# KiCad board Greenwood18N2.kicad_pcb (continued)
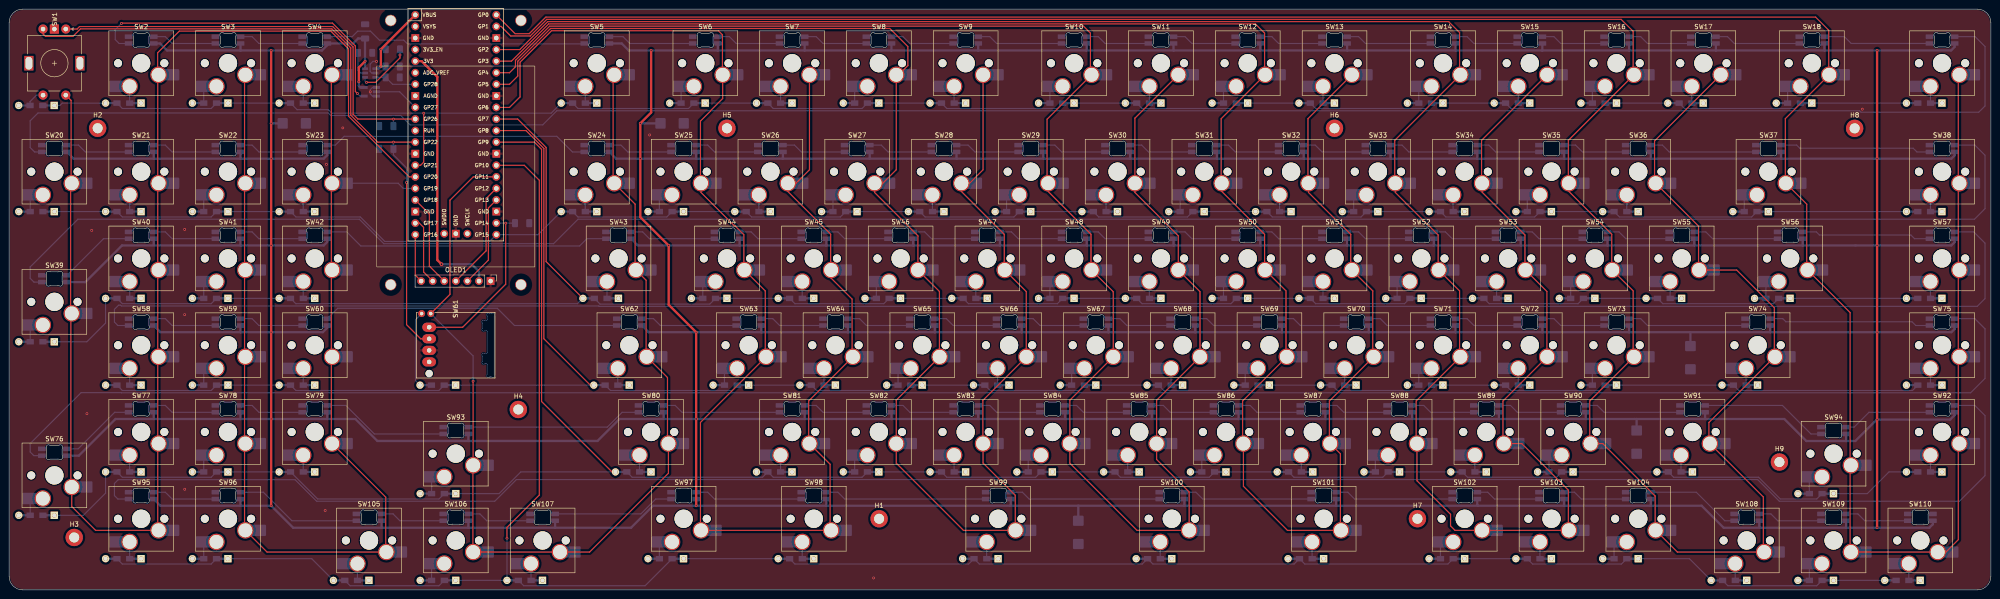
[diagram p0: board, top side]
## Nets
+3V3: OLED1.2 U2.36
GND: C1.1 C2.2 C3.2 C4.2 C5.1 C8.2 C9.2 C10.2 C11.2 C12.2 OLED1.1 R2.1 R3.2 SW1.C SW2.6 SW3.6 SW4.6 SW5.6 SW6.6 SW7.6 SW8.6 SW9.6 SW10.6 SW11.6 SW12.6 SW13.6 SW14.6 SW15.6 SW16.6 SW17.6 SW18.6 SW19.6 SW20.6 SW21.6 SW22.6 SW23.6 SW24.6 SW25.6 SW26.6 SW27.6 SW28.6 SW29.6 SW30.6 SW31.6 SW32.6 SW33.6 SW34.6 SW35.6 SW36.6 SW37.6 SW38.6 SW39.6 SW40.6 SW41.6 SW42.6 SW43.6 SW44.6 SW45.6 SW46.6 SW47.6 SW48.6 SW49.6 SW50.6 SW51.6 SW52.6 SW53.6 SW54.6 SW55.6 SW56.6 SW57.6 SW58.6 SW59.6 SW60.6 SW61.C SW62.6 SW63.6 SW64.6 SW65.6 SW66.6 SW67.6 SW68.6 SW69.6 SW70.6 SW71.6 SW72.6 SW73.6 SW74.6 SW75.6 SW76.6 SW77.6 SW78.6 SW79.6 SW80.6 SW81.6 SW82.6 SW83.6 SW84.6 SW85.6 SW86.6 SW87.6 SW88.6 SW89.6 SW90.6 SW91.6 SW92.6 SW93.6 SW94.6 SW95.6 SW96.6 SW97.6 SW98.6 SW99.6 SW100.6 SW101.6 SW102.6 SW103.6 SW104.6 SW105.6 SW106.6 SW107.6 SW108.6 SW109.6 SW110.6 U1.2 U2.3 U2.8 U2.13 U2.18 U2.23 U2.28 U2.38 U2.42 U3.1 U3.3
VCC: C1.2 R1.2 U1.1 U2.40
C_ILIM: R3.1 U1.5
COL0: SW1.S2 SW2.1 SW20.1 SW21.1 SW39.1 SW40.1 SW58.1 SW76.1 SW77.1 SW95.1 U2.26
COL1: SW3.1 SW4.1 SW22.1 SW23.1 SW41.1 SW42.1 SW59.1 SW60.1 SW78.1 SW79.1 SW96.1 SW105.1 U2.25
COL2: SW5.1 SW24.1 SW43.1 SW61.S2 SW62.1 SW80.1 SW93.1 SW106.1 SW107.1 U2.15
COL3: SW6.1 SW7.1 SW25.1 SW26.1 SW44.1 SW45.1 SW63.1 SW64.1 SW81.1 SW97.1 SW98.1 U2.9
COL4: SW8.1 SW9.1 SW27.1 SW28.1 SW46.1 SW47.1 SW65.1 SW66.1 SW82.1 SW83.1 SW99.1 U2.7
COL5: SW10.1 SW11.1 SW29.1 SW30.1 SW48.1 SW49.1 SW67.1 SW68.1 SW84.1 SW85.1 SW100.1 U2.6
COL6: SW12.1 SW13.1 SW31.1 SW32.1 SW50.1 SW51.1 SW69.1 SW70.1 SW86.1 SW87.1 SW101.1 U2.5
COL7: SW14.1 SW15.1 SW33.1 SW34.1 SW52.1 SW53.1 SW71.1 SW72.1 SW88.1 SW89.1 SW102.1 SW103.1 U2.4
COL8: SW16.1 SW17.1 SW35.1 SW36.1 SW54.1 SW55.1 SW73.1 SW74.1 SW90.1 SW91.1 SW104.1 SW108.1 U2.2
COL9: SW18.1 SW19.1 SW37.1 SW38.1 SW56.1 SW57.1 SW75.1 SW92.1 SW94.1 SW109.1 SW110.1 U2.1
ENC1_A: C2.1 SW1.A U2.31
ENC2_A: C3.1 SW61.A U2.19
ENC_B: C4.1 SW1.B SW61.B U2.29
LED_DAT_3V3: U2.32 U3.2
LED_DAT_5V: SW2.5 U3.4
LED_EN: R2.2 U1.3 U2.34
LED_NFAULT: R1.1 U1.4
LED_PWR: C5.2 C8.1 C9.1 C10.1 C11.1 C12.1 SW2.3 SW3.3 SW4.3 SW5.3 SW6.3 SW7.3 SW8.3 SW9.3 SW10.3 SW11.3 SW12.3 SW13.3 SW14.3 SW15.3 SW16.3 SW17.3 SW18.3 SW19.3 SW20.3 SW21.3 SW22.3 SW23.3 SW24.3 SW25.3 SW26.3 SW27.3 SW28.3 SW29.3 SW30.3 SW31.3 SW32.3 SW33.3 SW34.3 SW35.3 SW36.3 SW37.3 SW38.3 SW39.3 SW40.3 SW41.3 SW42.3 SW43.3 SW44.3 SW45.3 SW46.3 SW47.3 SW48.3 SW49.3 SW50.3 SW51.3 SW52.3 SW53.3 SW54.3 SW55.3 SW56.3 SW57.3 SW58.3 SW59.3 SW60.3 SW62.3 SW63.3 SW64.3 SW65.3 SW66.3 SW67.3 SW68.3 SW69.3 SW70.3 SW71.3 SW72.3 SW73.3 SW74.3 SW75.3 SW76.3 SW77.3 SW78.3 SW79.3 SW80.3 SW81.3 SW82.3 SW83.3 SW84.3 SW85.3 SW86.3 SW87.3 SW88.3 SW89.3 SW90.3 SW91.3 SW92.3 SW93.3 SW94.3 SW95.3 SW96.3 SW97.3 SW98.3 SW99.3 SW100.3 SW101.3 SW102.3 SW103.3 SW104.3 SW105.3 SW106.3 SW107.3 SW108.3 SW109.3 SW110.3 U1.6 U3.5
OLED_CS: OLED1.7 U2.21
OLED_DC: OLED1.6 U2.22
OLED_MOSI: OLED1.4 U2.16
OLED_RESET: OLED1.5 U2.24
OLED_SCK: OLED1.3 U2.17
ROW0: D1.1 D2.2 D3.1 D4.2 D5.2 D6.1 D7.2 D8.1 D9.2 D10.1 D11.2 D12.1 D13.2 D14.1 D15.2 D16.1 D17.2 D18.1 D19.2 U2.27
ROW1: D20.1 D21.2 D22.1 D23.2 D24.2 D25.1 D26.2 D27.1 D28.2 D29.1 D30.2 D31.1 D32.2 D33.1 D34.2 D35.1 D36.2 D37.1 D38.2 U2.20
ROW2: D39.1 D40.2 D41.1 D42.2 D43.2 D44.1 D45.2 D46.1 D47.2 D48.1 D49.2 D50.1 D51.2 D52.1 D53.2 D54.1 D55.2 D56.1 D57.2 U2.10
ROW3: D58.2 D59.1 D60.2 D61.1 D62.2 D63.1 D64.2 D65.1 D66.2 D67.1 D68.2 D69.1 D70.2 D71.1 D72.2 D73.1 D74.2 D75.2 U2.11
ROW4: D76.1 D77.2 D78.1 D79.2 D80.2 D81.2 D82.1 D83.2 D84.1 D85.2 D86.1 D87.2 D88.1 D89.2 D90.1 D91.2 D92.2 D93.1 D94.1 U2.12
ROW5: D95.2 D96.1 D97.1 D98.2 D99.2 D100.2 D101.2 D102.1 D103.2 D104.1 D105.2 D106.1 D107.2 D108.2 D109.1 D110.2 U2.14
Net-(D1-A): D1.2 SW1.S1
Net-(D2-K): D2.1 SW2.2
Net-(D3-A): D3.2 SW3.2
Net-(D4-K): D4.1 SW4.2
Net-(D5-K): D5.1 SW5.2
Net-(D6-A): D6.2 SW6.2
Net-(D7-K): D7.1 SW7.2
Net-(D8-A): D8.2 SW8.2
Net-(D9-K): D9.1 SW9.2
Net-(D10-A): D10.2 SW10.2
Net-(D11-K): D11.1 SW11.2
Net-(D12-A): D12.2 SW12.2
Net-(D13-K): D13.1 SW13.2
Net-(D14-A): D14.2 SW14.2
Net-(D15-K): D15.1 SW15.2
Net-(D16-A): D16.2 SW16.2
Net-(D17-K): D17.1 SW17.2
Net-(D18-A): D18.2 SW18.2
Net-(D19-K): D19.1 SW19.2
Net-(D20-A): D20.2 SW20.2
Net-(D21-K): D21.1 SW21.2
Net-(D22-A): D22.2 SW22.2
Net-(D23-K): D23.1 SW23.2
Net-(D24-K): D24.1 SW24.2
Net-(D25-A): D25.2 SW25.2
Net-(D26-K): D26.1 SW26.2
Net-(D27-A): D27.2 SW27.2
Net-(D28-K): D28.1 SW28.2
Net-(D29-A): D29.2 SW29.2
Net-(D30-K): D30.1 SW30.2
Net-(D31-A): D31.2 SW31.2
Net-(D32-K): D32.1 SW32.2
Net-(D33-A): D33.2 SW33.2
Net-(D34-K): D34.1 SW34.2
Net-(D35-A): D35.2 SW35.2
Net-(D36-K): D36.1 SW36.2
Net-(D37-A): D37.2 SW37.2
Net-(D38-K): D38.1 SW38.2
Net-(D39-A): D39.2 SW39.2
Net-(D40-K): D40.1 SW40.2
Net-(D41-A): D41.2 SW41.2
Net-(D42-K): D42.1 SW42.2
Net-(D43-K): D43.1 SW43.2
Net-(D44-A): D44.2 SW44.2
Net-(D45-K): D45.1 SW45.2
Net-(D46-A): D46.2 SW46.2
Net-(D47-K): D47.1 SW47.2
Net-(D48-A): D48.2 SW48.2
Net-(D49-K): D49.1 SW49.2
Net-(D50-A): D50.2 SW50.2
Net-(D51-K): D51.1 SW51.2
Net-(D52-A): D52.2 SW52.2
Net-(D53-K): D53.1 SW53.2
Net-(D54-A): D54.2 SW54.2
Net-(D55-K): D55.1 SW55.2
Net-(D56-A): D56.2 SW56.2
Net-(D57-K): D57.1 SW57.2
Net-(D58-K): D58.1 SW58.2
Net-(D59-A): D59.2 SW59.2
Net-(D60-K): D60.1 SW60.2
Net-(D61-A): D61.2 SW61.S1
Net-(D62-K): D62.1 SW62.2
Net-(D63-A): D63.2 SW63.2
Net-(D64-K): D64.1 SW64.2
Net-(D65-A): D65.2 SW65.2
Net-(D66-K): D66.1 SW66.2
Net-(D67-A): D67.2 SW67.2
Net-(D68-K): D68.1 SW68.2
Net-(D69-A): D69.2 SW69.2
Net-(D70-K): D70.1 SW70.2
Net-(D71-A): D71.2 SW71.2
Net-(D72-K): D72.1 SW72.2
Net-(D73-A): D73.2 SW73.2
Net-(D74-K): D74.1 SW74.2
Net-(D75-K): D75.1 SW75.2
Net-(D76-A): D76.2 SW76.2
Net-(D77-K): D77.1 SW77.2
Net-(D78-A): D78.2 SW78.2
Net-(D79-K): D79.1 SW79.2
Net-(D80-K): D80.1 SW80.2
Net-(D81-K): D81.1 SW81.2
Net-(D82-A): D82.2 SW82.2
Net-(D83-K): D83.1 SW83.2
Net-(D84-A): D84.2 SW84.2
Net-(D85-K): D85.1 SW85.2
Net-(D86-A): D86.2 SW86.2
Net-(D87-K): D87.1 SW87.2
Net-(D88-A): D88.2 SW88.2
Net-(D89-K): D89.1 SW89.2
Net-(D90-A): D90.2 SW90.2
Net-(D91-K): D91.1 SW91.2
Net-(D92-K): D92.1 SW92.2
Net-(D93-A): D93.2 SW93.2
Net-(D94-A): D94.2 SW94.2
Net-(D95-K): D95.1 SW95.2
Net-(D96-A): D96.2 SW96.2
Net-(D97-A): D97.2 SW97.2
Net-(D98-K): D98.1 SW98.2
Net-(D99-K): D99.1 SW99.2
Net-(D100-K): D100.1 SW100.2
Net-(D101-K): D101.1 SW101.2
Net-(D102-A): D102.2 SW102.2
Net-(D103-K): D103.1 SW103.2
Net-(D104-A): D104.2 SW104.2
Net-(D105-K): D105.1 SW105.2
Net-(D106-A): D106.2 SW106.2
Net-(D107-K): D107.1 SW107.2
Net-(D108-K): D108.1 SW108.2
Net-(D109-A): D109.2 SW109.2
Net-(D110-K): D110.1 SW110.2
Net-(SW2-DOUT): SW2.4 SW3.5
Net-(SW3-DOUT): SW3.4 SW4.5
Net-(SW4-DOUT): SW4.4 SW5.5
Net-(SW5-DOUT): SW5.4 SW6.5
Net-(SW6-DOUT): SW6.4 SW7.5
Net-(SW7-DOUT): SW7.4 SW8.5
Net-(SW8-DOUT): SW8.4 SW9.5
Net-(SW10-DIN): SW9.4 SW10.5
Net-(SW10-DOUT): SW10.4 SW11.5
Net-(SW11-DOUT): SW11.4 SW12.5
Net-(SW12-DOUT): SW12.4 SW13.5
Net-(SW13-DOUT): SW13.4 SW14.5
Net-(SW14-DOUT): SW14.4 SW15.5
Net-(SW15-DOUT): SW15.4 SW16.5
Net-(SW16-DOUT): SW16.4 SW17.5
Net-(SW17-DOUT): SW17.4 SW18.5
Net-(SW18-DOUT): SW18.4 SW19.5
Net-(SW19-DOUT): SW19.4 SW20.5
Net-(SW20-DOUT): SW20.4 SW21.5
Net-(SW21-DOUT): SW21.4 SW22.5
Net-(SW22-DOUT): SW22.4 SW23.5
Net-(SW23-DOUT): SW23.4 SW24.5
Net-(SW24-DOUT): SW24.4 SW25.5
Net-(SW25-DOUT): SW25.4 SW26.5
Net-(SW26-DOUT): SW26.4 SW27.5
Net-(SW27-DOUT): SW27.4 SW28.5
Net-(SW28-DOUT): SW28.4 SW29.5
Net-(SW29-DOUT): SW29.4 SW30.5
Net-(SW30-DOUT): SW30.4 SW31.5
Net-(SW31-DOUT): SW31.4 SW32.5
Net-(SW32-DOUT): SW32.4 SW33.5
Net-(SW33-DOUT): SW33.4 SW34.5
Net-(SW34-DOUT): SW34.4 SW35.5
Net-(SW35-DOUT): SW35.4 SW36.5
Net-(SW36-DOUT): SW36.4 SW37.5
Net-(SW37-DOUT): SW37.4 SW38.5
Net-(SW38-DOUT): SW38.4 SW39.5
Net-(SW39-DOUT): SW39.4 SW40.5
Net-(SW40-DOUT): SW40.4 SW41.5
Net-(SW41-DOUT): SW41.4 SW42.5
Net-(SW42-DOUT): SW42.4 SW43.5
Net-(SW43-DOUT): SW43.4 SW44.5
Net-(SW44-DOUT): SW44.4 SW45.5
Net-(SW45-DOUT): SW45.4 SW46.5
Net-(SW46-DOUT): SW46.4 SW47.5
Net-(SW47-DOUT): SW47.4 SW48.5
Net-(SW48-DOUT): SW48.4 SW49.5
Net-(SW49-DOUT): SW49.4 SW50.5
Net-(SW50-DOUT): SW50.4 SW51.5
Net-(SW51-DOUT): SW51.4 SW52.5
Net-(SW52-DOUT): SW52.4 SW53.5
Net-(SW53-DOUT): SW53.4 SW54.5
Net-(SW54-DOUT): SW54.4 SW55.5
Net-(SW55-DOUT): SW55.4 SW56.5
Net-(SW56-DOUT): SW56.4 SW57.5
Net-(SW57-DOUT): SW57.4 SW58.5
Net-(SW58-DOUT): SW58.4 SW59.5
Net-(SW59-DOUT): SW59.4 SW60.5
Net-(SW60-DOUT): SW60.4 SW62.5
Net-(SW62-DOUT): SW62.4 SW63.5
Net-(SW63-DOUT): SW63.4 SW64.5
Net-(SW64-DOUT): SW64.4 SW65.5
Net-(SW65-DOUT): SW65.4 SW66.5
Net-(SW66-DOUT): SW66.4 SW67.5
Net-(SW67-DOUT): SW67.4 SW68.5
Net-(SW68-DOUT): SW68.4 SW69.5
Net-(SW69-DOUT): SW69.4 SW70.5
Net-(SW70-DOUT): SW70.4 SW71.5
Net-(SW71-DOUT): SW71.4 SW72.5
Net-(SW72-DOUT): SW72.4 SW73.5
Net-(SW73-DOUT): SW73.4 SW74.5
Net-(SW74-DOUT): SW74.4 SW75.5
Net-(SW75-DOUT): SW75.4 SW76.5
Net-(SW76-DOUT): SW76.4 SW77.5
Net-(SW77-DOUT): SW77.4 SW78.5
Net-(SW78-DOUT): SW78.4 SW79.5
Net-(SW79-DOUT): SW79.4 SW93.5
Net-(SW80-DIN): SW80.5 SW93.4
Net-(SW80-DOUT): SW80.4 SW81.5
Net-(SW81-DOUT): SW81.4 SW82.5
Net-(SW82-DOUT): SW82.4 SW83.5
Net-(SW83-DOUT): SW83.4 SW84.5
Net-(SW84-DOUT): SW84.4 SW85.5
Net-(SW85-DOUT): SW85.4 SW86.5
Net-(SW86-DOUT): SW86.4 SW87.5
Net-(SW87-DOUT): SW87.4 SW88.5
Net-(SW88-DOUT): SW88.4 SW89.5
Net-(SW89-DOUT): SW89.4 SW90.5
Net-(SW90-DOUT): SW90.4 SW91.5
Net-(SW91-DOUT): SW91.4 SW94.5
Net-(SW92-DIN): SW92.5 SW94.4
Net-(SW92-DOUT): SW92.4 SW95.5
Net-(SW95-DOUT): SW95.4 SW96.5
Net-(SW97-DOUT): SW97.4 SW98.5
Net-(SW98-DOUT): SW98.4 SW99.5
Net-(SW100-DIN): SW99.4 SW100.5
Net-(SW100-DOUT): SW100.4 SW101.5
Net-(SW101-DOUT): SW101.4 SW102.5
Net-(SW102-DOUT): SW102.4 SW103.5
Net-(SW103-DOUT): SW103.4 SW104.5
Net-(SW104-DOUT): SW104.4 SW108.5
Net-(SW105-DIN): SW96.4 SW105.5
Net-(SW105-DOUT): SW105.4 SW106.5
Net-(SW106-DOUT): SW106.4 SW107.5
Net-(SW107-DOUT): SW97.5 SW107.4
Net-(SW108-DOUT): SW108.4 SW109.5
Net-(SW109-DOUT): SW109.4 SW110.5

Pads without a net: H1 1; H2 1; H3 1; H4 1; H5 1; H6 1; H7 1; H8 1; H9 1; SW1 MP; SW61 NC; SW110 4; U2 30 33 35 37 39 41 43

## Via types
v1: diameter 0.6, hole 0.3, Top to Bottom, 50 vias
v2: diameter 0.8, hole 0.4, Top to Bottom, 1 via

## Routing (per net, layer and track width the routed paths; a pad name or vN(x,y) marks a point on that pad's centre or on a via; arc(x,y) is an arc through that point)
+3V3: length 58.8
  Top w0.5: v2(94.91,71.5) 94,72.41 94,112.63 90.56,116.07 U2.36
  Bottom w0.5: OLED1.2 103.14,69.88 101.52,71.5 v2(94.91,71.5)
GND: length 8.6
  Bottom w0.25: U3.1 79.76,110.3 79.27,109.81 79.27,108.89 79.76,108.4 U3.3 ; U1.2 79.6,113.47 79.24,113.83 79.24,115.42 79.84,116.03 v1(80.64,116.03)
  vias: v1(17.08,38.69) v1(18.14,78.93) v1(38.54,79.12) v1(38.54,60.43) v1(38.54,22.09) v1(69.38,17.42) v1(69.64,93.43) v1(73.24,101.42) v1(79.27,109.35) v1(97.74,60.12) v1(140.58,99.88) v1(189.74,2.62) v1(406.79,105.53)
VCC: length 18
  Top w0.5: U2.40 v1(81.6,118.68) v1(81.6,114.9)
  Bottom w0.5: v1(81.6,118.68) R1.2 ; U1.1 81.12,114.42 v1(81.6,114.9) C1.2
C_ILIM: length 5.9
  Bottom w0.25: U1.5 77.18,113.47 76.57,114.07 76.57,117.88 R3.1 76.59,117.63
COL0: length 298.5
  Top w0.25: 13.75,88 13.5,87.75 13.5,60.95 SW39.1 13.55,60.5 13.55,22.8 SW76.1 13.75,18.29 18.97,13.07 SW95.1 32.63,13.25 32.63,112.91 SW2.1 32.6,113.29 32.6,117.9 37.37,122.67 70.61,122.67 74.5,118.79 74.5,104 87.83,90.67 U2.26 ; SW1.S2 13.6,107.47 13.6,89.43 SW20.1 12.48,88
COL1: length 261.7
  Top w0.25: SW4.1 70.73,112.91 70.73,32.3 SW79.1 82.66,20.36 82.66,8.45 SW105.1 56.62,8.31 SW96.1 51.68,13.25 51.68,112.91 SW3.1
  Bottom w0.25: SW23.1 85.4,89.27 86.53,88.13 U2.25
COL2: length 237.8
  Top w0.25: U2.15 101.89,90.67 96.77,85.55 96.77,64.88 SW61.S2 ; SW5.1 132.57,112.84 132.57,89.51 SW24.1 137.4,84.69 137.4,70.4 SW43.1 139.81,67.99 139.81,51.32 SW62.1 144.51,46.62 144.51,32.33 SW80.1 144.72,25.61 127.42,8.31 SW107.1 SW106.1 101.8,8.37 101.8,27.3 SW93.1 101.84,27.38 v1(101.84,45.82)
  Bottom w0.25: v1(101.84,45.82) 101.84,51.37 SW61.S2
COL3: length 327.9
  Top w0.25: SW7.1 175.68,92.24 172.72,89.27 SW26.1 170.91,87.48 180.33,78.07 180.33,70.34 SW45.1 180.44,68.43 185.03,63.84 185.03,51.35 SW64.1 175.5,41.47 175.5,32.3 SW81.1 180.2,27.6 180.2,13.31 SW98.1 SW97.1 151.75,13.19 151.75,36.77 SW63.1 165.98,51.35 165.98,65.64 SW44.1 161.28,70.34 161.28,77.98 159.35,79.9 159.21,79.9 151.87,87.25 SW25.1 151.75,89.39 151.75,102.92 153.97,105.14 153.97,105.22 156.63,107.87 SW6.1 156.58,113.13 156.58,121.85 155.68,122.75 119.05,122.75 112.15,115.84 112.15,108.23 109.83,105.91 U2.9
COL4: length 352.9
  Top w0.25: SW9.1 213.78,92.24 210.81,89.27 SW28.1 209.01,87.48 218.43,78.07 218.43,70.34 SW47.1 223.25,65.51 223.25,51.22 SW66.1 213.73,41.6 213.73,32.17 SW83.1 213.78,27.86 220.84,20.79 220.84,13.15 SW99.1 209.47,13.07 194.73,27.82 SW82.1 194.73,41.65 SW65.1 204.2,51.22 204.2,65.51 SW46.1 199.49,77.72 189.96,87.25 SW27.1 191.76,89.27 194.73,92.24 SW8.1 195.26,113.08 197.27,115.1 197.27,119.28 193.3,123.25 118.85,123.25 111.65,116.05 111.65,112.81 109.83,110.99 U2.7
COL5: length 393.4
  Top w0.25: SW10.1 227.82,103.32 227.82,89.51 SW29.1 228.06,87.48 237.48,78.07 237.48,70.34 SW48.1 242.35,65.46 SW67.1 232.83,41.65 SW84.1 232.83,27.82 247.57,13.07 SW100.1 259.02,21.49 251.88,28.63 SW85.1 251.88,41.65 SW68.1 261.4,65.46 SW49.1 256.64,77.72 247.12,87.25 SW30.1 247.12,103.56 SW11.1 ; U2.6 109.83,113.53 111.15,114.85 111.15,116.26 118.64,123.75 235.82,123.75 237.35,122.22 237.35,113.33
COL6: length 427
  Top w0.25: SW13.1 285.1,103.45 285.1,89.39 SW32.1 285.21,87.25 292.64,79.82 292.71,79.82 294.5,78.03 294.5,70.46 SW51.1 299.33,65.64 299.33,51.35 SW70.1 289.8,41.47 289.8,32.3 SW87.1 292.21,29.89 292.21,13.22 SW101.1 280.59,13.07 270.93,22.74 SW86.1 270.75,32.3 270.75,41.47 SW69.1 280.28,51.35 280.28,65.64 SW50.1 275.58,70.34 275.58,78.07 266.17,87.48 SW31.1 266.05,89.39 266.05,103.45 SW12.1 275.58,113.2 275.58,122.23 273.56,124.25 118.43,124.25 110.26,116.07 U2.5
COL7: length 493.4
  Top w0.25: SW15.1 323.2,98.68 323.2,89.39 SW34.1 323.31,87.32 332.73,77.91 332.73,70.34 SW53.1 337.55,65.51 337.55,51.22 SW72.1 327.9,41.47 327.9,32.3 SW89.1 ; SW89.1 332.03,32.12 342.25,21.9 342.25,13.19 SW103.1 SW102.1 317.37,13.07 316.39,14.05 316.39,16.59 309.03,23.96 SW88.1 308.85,32.3 308.85,41.47 SW71.1 318.38,51.35 318.38,65.64 SW52.1 313.68,70.34 313.68,77.91 311.76,79.82 311.69,79.82 304.26,87.25 SW33.1 304.15,89.39 304.15,98.68 SW14.1 318.38,113.26 318.38,122.36 315.99,124.75 118.23,124.75 112.09,118.61 U2.4 ; SW89.1 327.9,31.95
COL8: length 549.6
  Top w0.25: U2.2 108.01,123.69 110.1,121.6 114.37,121.6 118.02,125.25 353.84,125.25 356.48,122.61 356.48,113.26 SW16.1 342.25,98.68 342.25,89.39 SW35.1 342.37,87.48 351.78,78.07 351.78,70.34 SW54.1 356.48,65.64 356.48,51.35 SW73.1 346.95,41.47 346.95,32.3 SW90.1 349.79,32.12 361.3,20.61 361.3,13.19 SW104.1 366.18,8.31 SW108.1 385.05,8.49 385.05,20.39 SW91.1 373.11,32.33 373.11,36.76 387.53,51.17 SW74.1 387.46,51.32 387.46,61.95 379.19,70.22 SW55.1 370.83,70.34 370.83,79.86 SW36.1 361.18,89.51 361.18,98.56 SW17.1
COL9: length 548.8
  Top w0.25: SW19.1 427.85,112.84 427.85,32.36 SW92.1 427.85,31.88 427.85,11.03 425.13,8.31 SW110.1 SW109.1 404.1,8.49 404.1,27.18 SW94.1 404.1,27.54 404.1,60.87 SW56.1 394.58,70.4 394.58,84.69 SW37.1 389.88,89.39 389.88,103.45 SW18.1 399.4,113.2 399.4,122.86 396.52,125.75 117.81,125.75 114.16,122.1 111.07,122.1 U2.1 107.09,126.38
ENC1_A: length 95.6
  Top w0.25: SW1.A 14.92,123.12 15.47,123.67 71.03,123.67 75.5,119.2 75.5,104.41 76.54,103.37 U2.31
  Bottom w0.25: C2.1 v1(84.36,103.34) 84.44,103.42
ENC2_A: length 38.5
  Top w0.25: SW61.A 99.56,57.66 109,67.1 v1(109,80.51) ; 107,80.3 106.94,80.36 U2.19
  Bottom w0.25: U2.19 C3.1
ENC_B: length 150.2
  Top w0.25: U2.29 80.91,98.29 75,104.21 75,118.99 70.82,123.17 15.67,123.17 14,121.5 8,121.5 7.44,122.06 SW1.B ; v1(87.24,89.43) 87.24,58.22 90.34,55.12 SW61.B
  Bottom w0.25: v1(87.24,89.43) 87.24,92.62 84.36,95.5 C4.1 84.36,98.21 84.44,98.29
  vias: v1(84.36,98.29)
LED_DAT_3V3: length 10
  Bottom w0.25: U2.32 85.72,109.35 U3.2
LED_DAT_5V: length 73.2
  Top w0.25: v1(76.47,108.94) 76,109.41 76,119.41 70.98,124.42 24.72,124.42 v1(24.65,124.35)
  Bottom w0.25: SW2.5 24.14,119.95 23.3,120.8 23.3,123 v1(24.65,124.35) ; U3.4 77.01,108.4 v1(76.47,108.94)
LED_EN: length 9.4
  Bottom w0.25: U1.3 R2.2 84.17,110.99 U2.34
LED_NFAULT: length 12.9
  Top w0.25: v1(85.79,117.42) 85.79,116.78 80.44,111.42 v1(78.44,111.42)
  Bottom w0.25: U1.4 78.12,111.74 v1(78.44,111.42) ; 85.84,117.42 85.79,117.47 R1.1 85.79,118.83
LED_PWR: length 2680.6
  Top w0.5: v1(410.02,13.69) v1(410.02,37.37) v1(410.02,56.57) v1(410.02,75.62) v1(410.02,94.67) 410.02,118.45 ; 150.83,18.49 150.78,18.44 ; v1(78.14,116.06) 76.77,114.69 v1(76.77,111.54) ; 150.81,18.49 v1(150.81,37.52) v1(150.81,56.57) 150.8,56.57 144.78,62.58 144.78,75.59 138.54,81.84 v1(138.54,102.42) 140.92,104.8 140.92,118.41 ; v1(57.52,118.42) v1(57.52,94.67) v1(57.52,75.62) v1(57.52,56.57) v1(57.52,37.52) v1(57.52,18.47)
  Bottom w0.5: 291.32,18.47 322.44,18.47 ; 291.32,18.47 257.92,18.47 ; 291.32,18.47 291.3,18.5 SW101.3 ; 322.44,18.47 341.36,18.47 ; 322.44,18.47 322.25,18.66 SW102.3 ; SW24.3 133.23,94.67 150.86,94.67 ; 50.79,56.57 33.22,56.57 SW58.3 ; 50.79,56.57 50.79,56.58 SW59.3 ; 50.79,56.57 68.87,56.57 69.84,57.54 SW60.3 ; 69.84,37.52 76,37.52 80.83,32.69 100.82,32.69 ; 69.84,37.52 50.79,37.52 ; 69.84,37.52 69.84,37.53 SW79.3 ; 372.22,37.52 389.65,37.52 394.48,32.69 403.21,32.69 ; 372.22,37.52 346.06,37.52 ; 372.22,37.52 372.26,37.56 SW91.3 ; 81.78,13.64 62.34,13.64 v1(57.52,18.47) 50.79,18.47 50.79,18.48 ; 81.78,13.64 81.75,13.67 SW105.3 ; 81.78,13.64 100.82,13.64 ; 208.01,94.67 227.06,94.67 ; 208.01,94.67 188.84,94.67 ; 208.01,94.67 207.95,94.73 SW28.3 ; 227.06,94.67 227,94.73 SW29.3 ; 227.06,94.67 245.99,94.67 ; 274.56,118.42 293.74,118.42 ; 274.56,118.42 255.64,118.42 ; 274.56,118.42 274.63,118.49 SW12.3 ; 293.74,118.42 293.68,118.48 SW13.3 ; 293.74,118.42 317.49,118.42 ; 322.19,94.67 322.25,94.74 SW34.3 ; 322.19,94.67 303.26,94.67 ; 322.19,94.67 341.36,94.67 ; SW80.3 143.66,37.69 ; 403.21,32.69 403.22,32.69 SW94.3 ; 403.21,32.69 405.24,32.69 409.94,37.39 426.07,37.39 427.03,38.35 427.03,38.86 ; 231.76,37.52 231.77,37.53 231.77,38.86 ; 231.76,37.52 212.71,37.52 ; 231.76,37.52 250.81,37.52 ; SW66.3 222.24,56.58 222.24,56.57 ; SW109.3 403.22,13.66 403.24,13.64 ; 203.19,56.57 203.19,56.58 SW65.3 ; 203.19,56.57 222.24,56.57 ; 203.19,56.57 184.14,56.57 ; 150.86,94.67 150.81,94.73 SW25.3 ; 150.86,94.67 169.79,94.67 ; 288.91,37.52 288.92,37.53 288.92,38.86 ; 288.91,37.52 269.86,37.52 ; 288.91,37.52 307.96,37.52 ; 360.29,18.47 371.52,18.47 376.34,13.64 403.24,13.64 ; 360.29,18.47 360.36,18.54 SW104.3 ; 360.29,18.47 341.36,18.47 ; 169.79,94.67 188.84,94.67 ; 169.79,94.67 169.85,94.74 SW26.3 ; 188.84,94.67 188.9,94.74 SW27.3 ; 341.36,94.67 341.31,94.73 SW35.3 ; 341.36,94.67 360.29,94.67 ; SW32.3 284.15,94.73 284.21,94.67 ; 341.36,18.47 341.31,18.53 SW103.3 ; 398.5,118.42 426.27,118.42 427.03,119.18 SW19.3 ; 398.5,118.42 398.45,118.46 SW18.3 ; 398.5,118.42 374.64,118.42 ; 369.94,75.62 369.88,75.68 SW55.3 ; 369.94,75.62 350.89,75.62 ; 369.94,75.62 393.69,75.62 ; 317.49,56.57 317.49,56.58 SW71.3 ; 317.49,56.57 298.44,56.57 ; 317.49,56.57 336.54,56.57 ; C10.1 369.05,56.57 ; 369.05,56.57 386.57,56.57 ; 369.05,56.57 355.59,56.57 ; 212.71,118.42 236.46,118.42 ; 212.71,118.42 212.72,118.42 SW9.3 ; 212.71,118.42 193.66,118.42 ; 236.46,118.42 255.64,118.42 ; 236.46,118.42 236.53,118.49 SW10.3 ; 279.39,56.57 298.44,56.57 ; 279.39,56.57 260.34,56.57 ; 279.39,56.57 279.39,56.58 SW69.3 ; 298.44,56.57 298.44,56.58 SW70.3 ; SW7.3 174.62,118.42 174.61,118.42 ; 284.21,94.67 303.26,94.67 ; 284.21,94.67 265.16,94.67 ; SW76.3 15.3,29.47 23.36,37.52 31.74,37.52 ; SW110.3 422.27,14.41 421.5,13.64 403.24,13.64 ; 260.34,56.57 260.34,56.58 SW68.3 ; 260.34,56.57 241.29,56.57 ; SW106.3 100.8,13.67 100.82,13.64 ; 179.31,18.47 179.38,18.54 SW98.3 ; 179.31,18.47 150.87,18.47 ; 179.31,18.47 219.7,18.47 ; 374.64,118.42 374.64,118.42 SW17.3 ; 374.64,118.42 355.59,118.42 ; 50.79,18.48 SW96.3 ; 50.79,18.48 33.21,18.48 SW95.3 ; 219.7,18.47 219.86,18.63 SW99.3 ; 219.7,18.47 234.68,18.47 ; 386.57,56.57 426.33,56.57 427.03,57.27 SW75.3 ; 386.57,56.57 386.55,56.6 SW74.3 ; 360.29,94.67 360.36,94.74 SW36.3 ; 360.29,94.67 388.99,94.67 ; 257.92,18.47 257.96,18.51 SW100.3 ; 257.92,18.47 234.68,18.47 ; 155.56,118.42 155.57,118.42 SW6.3 ; 155.56,118.42 136,118.42 134.47,119.95 SW5.3 ; 155.56,118.42 174.61,118.42 ; 331.84,75.62 350.89,75.62 ; 331.84,75.62 312.66,75.62 ; 331.84,75.62 331.78,75.68 SW53.3 ; 350.89,75.62 350.83,75.68 SW54.3 ; 312.66,75.62 312.73,75.69 SW52.3 ; 312.66,75.62 293.74,75.62 ; 222.24,56.57 241.29,56.57 ; 100.82,32.69 100.8,32.72 SW93.3 ; 100.82,32.69 129.15,32.69 133.98,37.52 174.61,37.52 ; 184.14,56.57 165.4,56.57 ; 184.14,56.57 184.14,56.58 SW64.3 ; 174.61,37.52 193.66,37.52 ; 174.61,37.52 174.62,37.53 174.62,38.86 ; 193.66,37.52 193.67,37.53 193.67,38.86 ; 193.66,37.52 212.71,37.52 ; C12.1 234.68,18.47 ; 346.06,37.52 346.07,37.53 SW90.3 ; 346.06,37.52 327.01,37.52 ; 241.29,56.57 241.29,56.58 SW67.3 ; 255.64,118.42 255.58,118.48 SW11.3 ; 250.82,38.86 250.82,37.53 250.81,37.52 ; SW97.3 150.81,18.54 150.87,18.47 ; SW20.3 14.17,94.67 31.74,94.67 ; 31.74,94.67 31.74,94.68 SW21.3 ; 31.74,94.67 50.79,94.67 ; 119.88,13.64 136.51,13.64 141.34,18.47 150.87,18.47 ; 119.88,13.64 119.85,13.67 SW107.3 ; 119.88,13.64 100.82,13.64 ; 393.69,75.62 426.33,75.62 427.03,76.32 SW57.3 ; 393.69,75.62 393.69,75.63 SW56.3 ; 269.86,37.52 269.87,37.53 269.87,38.86 ; 269.86,37.52 250.81,37.52 ; 336.54,56.57 355.59,56.57 ; 336.54,56.57 336.54,56.58 SW72.3 ; 355.59,56.57 355.59,56.58 SW73.3 ; 165.4,56.57 140.37,56.57 SW62.3 ; 165.4,56.57 165.09,56.57 165.09,56.58 SW63.3 ; 336.54,118.42 336.54,118.42 SW15.3 ; 336.54,118.42 317.49,118.42 ; 336.54,118.42 355.59,118.42 ; U1.6 78.12,121.03 C5.2 ; 217.54,75.62 236.59,75.62 ; 217.54,75.62 217.48,75.68 SW47.3 ; 217.54,75.62 198.49,75.62 ; 236.59,75.62 236.53,75.68 SW48.3 ; 236.59,75.62 255.64,75.62 ; 50.79,37.52 50.79,37.53 SW78.3 ; 50.79,37.52 31.74,37.52 ; SW41.3 50.79,75.63 50.79,75.62 ; 355.59,118.42 355.59,118.42 SW16.3 ; 255.64,75.62 255.58,75.68 SW49.3 ; 255.64,75.62 274.69,75.62 ; 303.26,94.67 303.2,94.73 SW33.3 ; SW46.3 198.43,75.68 198.49,75.62 ; SW40.3 31.74,75.75 31.74,75.75 ; 193.66,118.42 193.67,118.42 SW8.3 ; 193.66,118.42 174.61,118.42 ; SW45.3 179.38,75.69 179.31,75.62 ; 317.49,118.42 317.49,118.42 SW14.3 ; 212.71,37.52 212.72,37.53 212.72,38.86 ; 274.69,75.62 274.63,75.68 SW50.3 ; 274.69,75.62 293.74,75.62 ; SW22.3 50.79,94.68 50.79,94.67 ; 245.99,94.67 246.06,94.74 SW30.3 ; 245.99,94.67 265.16,94.67 ; 293.74,75.62 293.68,75.68 SW51.3 ; 160.33,75.62 137.99,75.62 SW43.3 ; 160.33,75.62 179.31,75.62 ; 160.33,75.62 SW44.3 ; 388.99,94.67 388.93,94.73 SW37.3 ; 388.99,94.67 426.33,94.67 427.03,95.37 SW38.3 ; 50.79,118.42 34.68,118.42 33.14,119.95 SW2.3 ; 50.79,118.42 50.79,118.42 68.67,118.42 69.84,119.59 SW4.3 75.54,119.95 75.54,119.99 76.59,121.05 77.92,121.05 ; 50.79,118.42 SW3.3 ; 179.31,75.62 198.49,75.62 ; v1(138.54,102.42) 142.98,102.42 ; 50.79,75.62 24.79,75.62 16.74,67.57 SW39.3 12.61,67.57 12.43,67.75 ; 50.79,75.62 69.07,75.62 69.84,76.39 SW42.3 ; SW31.3 265.11,94.73 265.16,94.67 ; C11.1 357.24,37.52 ; SW77.3 31.74,37.53 31.74,37.52 ; 327.01,37.52 327.02,37.53 SW89.3 ; 327.01,37.52 307.96,37.52 ; C8.1 v1(57.52,102.42) ; 50.79,94.67 69.07,94.67 69.84,95.44 SW23.3 ; 384.16,13.77 384.17,13.78 SW108.3 ; 307.96,37.52 307.97,37.53 SW88.3 ; U3.5 77.09,110.3 76.77,110.62 v1(76.77,111.54)
  vias: v1(138.54,94.67) v1(140.92,118.42) v1(144.78,75.62) v1(150.81,18.47) v1(410.02,118.42)
OLED_CS: length 10.7
  Top w0.25: U2.21 89.16,69.08 OLED1.7
OLED_DC: length 14.8
  Top w0.25: OLED1.6 90.98,69.8 90.98,79.59 90.05,80.51 U2.22
OLED_MOSI: length 24
  Top w0.25: OLED1.4 104.7,74.44 104.7,85.9 U2.16
OLED_RESET: length 20.4
  Top w0.25: OLED1.5 92.25,71.07 92.25,82.51 U2.24
OLED_SCK: length 20.4
  Top w0.25: OLED1.3 105.2,72.4 105.2,83.86 U2.17
ROW0: length 429.3
  Top w0.25: v1(91,104.65) 91,93.9 90.31,93.21 U2.27
  Bottom w0.25: D1.1 11.15,106.35 11.65,106.85 21.16,106.85 D2.2 ; D2.2 24.85,105.69 44.35,105.69 D3.1 D4.2 63.22,105.41 70.05,105.41 70.81,104.65 118.97,104.65 D5.2 D5.2 124.86,105.69 149.12,105.69 D6.1 D7.2 167.72,105.69 187.22,105.69 D8.1 D9.2 205.82,105.69 230.08,105.69 D10.1 D11.2 248.69,105.69 268.19,105.69 D12.1 D13.2 286.79,105.69 311.05,105.69 D14.1 D15.2 329.65,105.69 349.15,105.69 D16.1 D17.2 367.75,105.69 392.01,105.69 D18.1 D19.2
ROW1: length 422.3
  Bottom w0.25: D38.2 D37.1 382.49,81.87 353.46,81.87 D36.2 336.04,83.05 334.86,81.87 315.36,81.87 D34.2 D33.1 296.76,81.87 277.26,81.87 276.08,83.05 D31.1 258.66,81.87 239.16,81.87 D30.2 221.74,83.05 220.56,81.87 201.06,81.87 199.88,83.05 D27.1 182.46,81.87 162.96,81.87 D26.2 D25.1 144.36,81.87 124.86,81.87 D24.2 ; D20.1 D21.2 24.85,81.87 44.35,81.87 D22.1 D23.2 62.95,81.87 77.08,81.87 82.45,76.5 105.46,76.5 U2.20 116.07,77.97 121.14,83.05 D24.2
ROW2: length 472.5
  Top w0.25: D43.2 117.88,72.07 117.88,97.12 111.63,103.37 107.06,103.37 ; U2.10 107.06,103.5
  Bottom w0.25: D40.2 24.85,62.82 44.35,62.82 D41.1 D42.2 62.95,62.82 124.72,62.82 125.9,64 D43.2 ; D57.2 D56.1 387.25,62.82 362.99,62.82 D55.2 D54.1 344.38,62.82 324.88,62.82 D53.2 D52.1 306.29,62.82 286.79,62.82 D51.2 D50.1 268.19,62.82 248.69,62.82 D49.2 D48.1 230.08,62.82 210.58,62.82 D47.2 D46.1 191.99,62.82 172.49,62.82 D45.2 D44.1 153.8,62.74 129.71,62.74 D43.2 ; D39.1 17.07,54.47 21.17,58.58 D40.2
ROW3: length 465.9
  Top w0.25: 128.33,44.19 117.38,55.14 117.38,96.92 113.46,100.83 U2.11
  Bottom w0.25: D58.2 24.85,43.77 44.35,43.77 D59.1 ; D59.1 D60.2 ; D61.1 D62.2 132,43.77 158.65,43.77 D63.1 D64.2 177.25,43.77 196.75,43.77 D65.1 D66.2 215.35,43.77 234.85,43.77 D67.1 D68.2 253.45,43.77 272.95,43.77 D69.1 D70.2 291.55,43.77 311.05,43.77 D71.1 D72.2 329.65,43.77 349.15,43.77 D73.1 D74.2 379.65,43.77 417.79,43.77 D75.2 ; D61.1 94.32,43.77 62.95,43.77 D60.2
ROW4: length 521.2
  Top w0.25: 133.09,25.14 116.88,41.35 116.88,96.71 115.29,98.29 U2.12
  Bottom w0.25: D76.1 16.31,16.37 21.17,21.24 D77.2 ; D92.2 412.63,25.9 407.87,21.14 D94.1 396.77,19.96 388.77,19.96 384,24.72 365.37,24.72 D91.2 D90.1 339.62,24.72 320.12,24.72 D89.2 D88.1 301.52,24.72 282.02,24.72 D87.2 D86.1 263.42,24.72 243.92,24.72 D85.2 D84.1 225.32,24.72 205.82,24.72 D83.2 D82.1 187.22,24.72 167.72,24.72 D81.2 165.37,24.72 136.77,24.72 D80.2 112.32,25.9 107.56,21.14 D93.1 94.35,19.96 67.71,19.96 D79.2 D78.1 44.35,24.72 24.85,24.72 D77.2
ROW5: length 501.8
  Top w0.25: v1(109.28,11.33) 109.28,13.72 116.38,20.81 116.38,89.92 113.09,93.21 U2.14
  Bottom w0.25: D108.2 377.27,0.91 396.77,0.91 D109.1 D110.2 ; v1(109.28,11.33) D107.2 ; D105.2 66.42,6.85 D96.1 44.35,5.67 24.85,5.67 D95.2 ; D108.2 368.83,6.85 D104.1 353.91,5.67 334.41,5.67 D103.2 D102.1 315.81,5.67 284.4,5.67 D101.2 282.05,5.67 251.07,5.67 D100.2 248.72,5.67 212.97,5.67 D99.2 210.62,5.67 172.49,5.67 D98.2 D97.1 139.6,0.91 112.95,0.91 D107.2 D106.1 94.35,0.91 74.85,0.91 D105.2
Net-(D1-A): length 4.3
  Bottom w0.25: 4.62,106.37 D1.2 4.6,107.2 6.03,108.62 SW1.S1
Net-(D2-K): length 3.7
  Bottom w0.25: D2.1 26.45,106.88 SW2.2
Net-(D3-A): length 3.7
  Bottom w0.25: SW3.2 D3.2
Net-(D4-K): length 3.7
  Bottom w0.25: D4.1 64.55,106.88 SW4.2 64.57,110.53
Net-(D5-K): length 3.7
  Bottom w0.25: SW5.2 126.47,106.88
Net-(D6-A): length 3.7
  Bottom w0.25: SW6.2 D6.2
Net-(D7-K): length 3.7
  Bottom w0.25: SW7.2 169.33,106.88
Net-(D8-A): length 3.7
  Bottom w0.25: SW8.2 D8.2
Net-(D9-K): length 3.7
  Bottom w0.25: SW9.2 207.43,106.88 D9.1
Net-(D10-A): length 3.7
  Bottom w0.25: SW10.2 D10.2
Net-(D11-K): length 3.7
  Bottom w0.25: SW11.2 250.29,106.88 D11.1
Net-(D12-A): length 3.7
  Bottom w0.25: D12.2 SW12.2
Net-(D13-K): length 3.7
  Bottom w0.25: D13.1 288.39,106.88 SW13.2
Net-(D14-A): length 3.7
  Bottom w0.25: SW14.2 D14.2
Net-(D15-K): length 3.7
  Bottom w0.25: SW15.2 331.25,106.88 D15.1
Net-(D16-A): length 3.7
  Bottom w0.25: SW16.2 D16.2
Net-(D17-K): length 3.7
  Bottom w0.25: D17.1 369.35,106.88 SW17.2
Net-(D18-A): length 3.7
  Bottom w0.25: SW18.2 390.38,106.86
Net-(D19-K): length 3.7
  Bottom w0.25: SW19.2 421.74,106.88 D19.1
Net-(D20-A): length 3.7
  Bottom w0.25: SW20.2 D20.2
Net-(D21-K): length 3.7
  Bottom w0.25: D21.1 26.45,83.07 SW21.2
Net-(D22-A): length 3.7
  Bottom w0.25: SW22.2 D22.2
Net-(D23-K): length 3.7
  Bottom w0.25: D23.1 64.55,83.07 SW23.2 64.57,86.71
Net-(D24-K): length 3.7
  Bottom w0.25: D24.1 126.47,83.07 SW24.2
Net-(D25-A): length 3.7
  Bottom w0.25: SW25.2 142.74,83.05
Net-(D26-K): length 3.7
  Bottom w0.25: SW26.2 164.56,83.07 D26.1
Net-(D27-A): length 3.7
  Bottom w0.25: SW27.2 180.83,83.05
Net-(D28-K): length 3.7
  Bottom w0.25: D28.1 202.67,83.07 SW28.2
Net-(D29-A): length 3.7
  Bottom w0.25: D29.2 SW29.2
